# KiCad board Batch 1.kicad_pcb (continued)
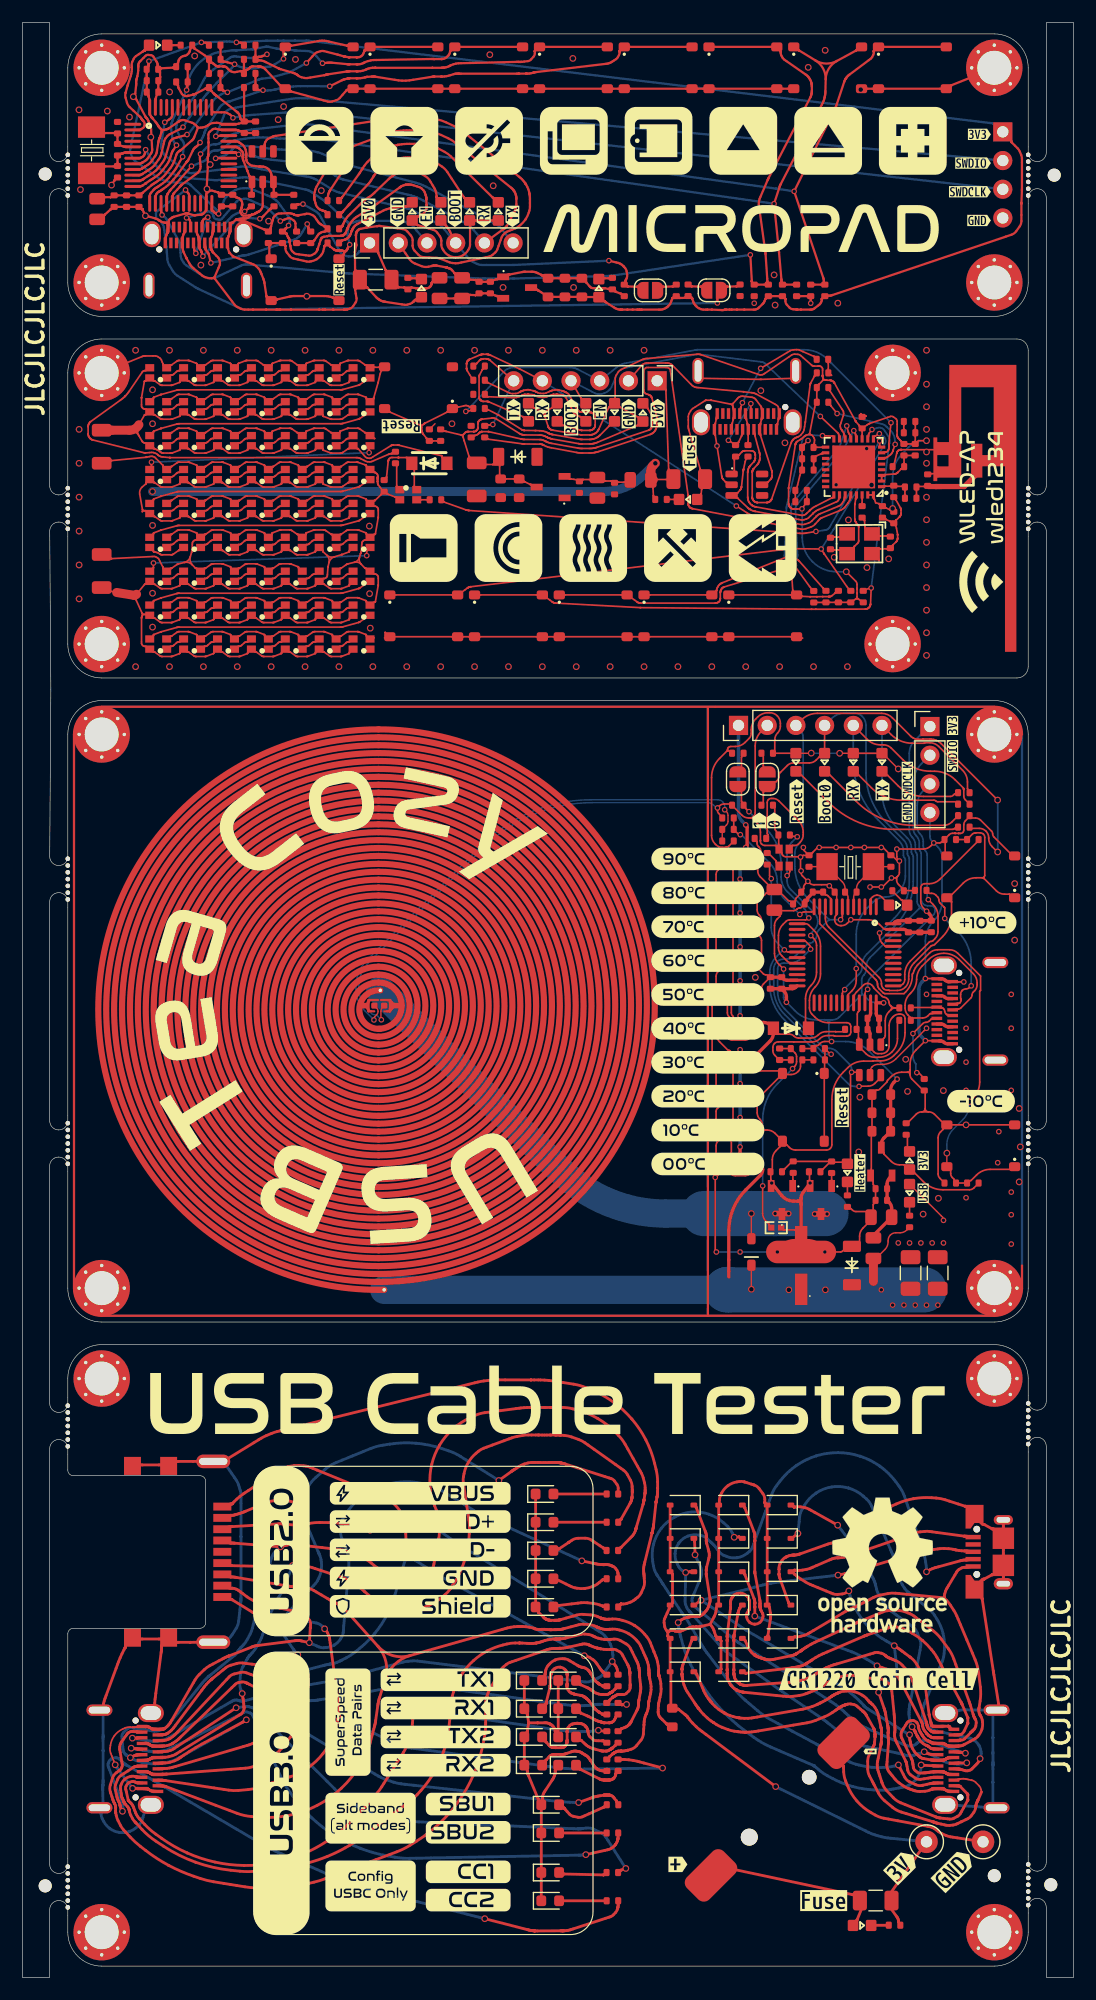
[diagram p0: board, top side]
## Nets (continued)
+3.3V: C1.1 C2.1 C4.1 C6.1 C8.1 C9.1 C11.1 C14.1 C16.1 C18.1 C19.1 C22.1 C24.1 C25.1 C32.1 C33.1 C36.1 C38.1 C39.1 C40.1 C44.1 C46.1 C49.1 C50.1 C52.1 C62.1 C66.1 C67.1 C69.1 C71.1 C73.1 C74.1 C78.1 C79.1 C80.1 C81.1 C82.1 C83.1 C84.1 D1.1 J3.1 J7.1 L3.1 L4.1 LDO1.3 LDO2.3 LDO3.3 LED2.2 LED3.2 LED4.2 LED7.2 LED8.2 LED9.2 LED11.2 LED12.2 LED14.2 LED16.2 LED17.2 LED18.2 R2.1 R4.1 R5.1 R7.1 R8.1 R10.1 R20.1 R21.1 R22.1 R24.1 R25.1 R34.1 R37.1 R41.1 R44.1 R45.1 R47.1 R48.1 R49.1 R51.1 R52.1 R56.1 R57.1 R65.1 R67.1 R81.1 U2.9 U2.24 U2.36 U2.48 U4.11 U4.17 U4.31 U4.32 U6.9 U6.24 U6.36 U6.48
+3V0: C90.1 D15.2 D16.2 D17.2 D18.2 D19.2 D20.2 D21.2 D22.2 D23.2 D24.2 D25.2 D26.2 D27.2 D28.2 D29.2 D30.2 D31.2 F5.1 R99.1 TP2.1
+5V: C29.1 C30.1 C56.1 C60.1 C61.1 C65.1 C68.1 C70.1 C72.1 C75.1 C76.1 C77.1 C85.1 D2.1 D3.1 F1.1 F2.1 F3.1 F4.1 FB1.1 FB2.1 FB3.1 HC1.1 J2.1 J5.1 J6.1 R3.1 R15.1 R42.1 R68.1 R80.1 RGB1.2 RGB2.2 RGB3.2 RGB4.2 RGB5.2 RGB6.2 RGB7.2 RGB8.2 RGB9.2 RGB10.2 RGB11.2 RGB12.2 RGB13.2 RGB14.2 RGB15.2 RGB16.2 RGB17.2 RGB18.2 RGB19.2 RGB20.2 RGB21.2 RGB22.2 RGB23.2 RGB24.2 RGB25.2 RGB26.2 RGB27.2 RGB28.2 RGB29.2 RGB30.2 RGB31.2 RGB32.2 RGB33.2 RGB34.2 RGB35.2 RGB36.2 RGB37.2 RGB39.2 RGB40.2 RGB41.2 RGB42.2 RGB43.2 RGB44.2 RGB45.2 RGB46.2 RGB47.2 RGB48.2 RGB49.2 RGB50.2 RGB51.2 RGB52.2 RGB53.2 RGB54.2 RGB55.2 RGB56.2 RGB57.2 RGB58.2 RGB59.2 RGB60.2 RGB61.2 RGB62.2 RGB63.2 RGB64.2 RGB65.2 RGB67.2 RGB68.2 RGB69.2 RGB70.2 RGB71.2 RGB72.2 RGB73.2 RGB74.2 RGB75.2 U3.2 U7.2
/GND_Drain: J9.7
/VBUS: J9.1 J11.A4 J11.A9 J11.B4 J11.B9 R91.1
GND: AE1.2 B1.2 C1.2 C2.2 C3.2 C4.2 C5.2 C6.2 C7.2 C8.2 C9.2 C10.2 C11.2 C12.2 C13.1 C14.2 C15.2 C16.2 C17.1 C18.2 C19.2 C20.2 C21.2 C22.2 C23.2 C24.2 C25.2 C26.2 C27.2 C28.2 C29.2 C30.2 C31.2 C32.2 C33.2 C34.2 C35.2 C36.2 C37.2 C38.2 C39.2 C40.2 C41.2 C42.2 C43.2 C44.2 C45.2 C46.2 C47.2 C48.2 C49.2 C50.2 C51.2 C52.2 C53.1 C54.1 C55.2 C56.2 C57.2 C58.1 C59.2 C60.2 C61.2 C62.2 C63.2 C64.2 C65.2 C66.2 C67.2 C68.2 C69.2 C70.2 C71.2 C72.2 C73.2 C74.2 C75.2 C76.2 C77.2 C78.2 C79.2 C80.2 C81.2 C82.2 C83.2 C84.2 C85.2 C86.2 C87.2 C88.2 C89.2 C90.2 D1.2 D3.2 D4.1 D5.1 D6.1 D7.1 D8.1 D9.1 D10.1 D11.1 D12.1 D13.1 D14.1 D32.1 D33.1 D34.1 D35.1 D36.1 D37.1 ESD1.2 ESD2.2 ESD3.2 J1.A1 J1.A12 J1.B1 J1.B12 J2.2 J3.4 J4.A1 J4.A12 J4.B1 J4.B12 J5.2 J6.2 J7.4 J8.A1 J8.A12 J8.B1 J8.B12 LDO1.1 LDO2.1 LDO3.1 M1. M2. M3. M4. M5. M6. M7. M8. M9. M10. M12. M14. R6.2 R9.1 R13.2 R16.2 R19.1 R23.2 R26.1 R29.2 R33.2 R38.2 R43.2 R46.1 R55.1 R60.2 R62.1 R70.2 R71.1 R72.2 R75.2 R76.2 R77.2 R78.2 R79.1 RGB1.3 RGB2.3 RGB3.3 RGB4.3 RGB5.3 RGB6.3 RGB7.3 RGB8.3 RGB9.3 RGB10.3 RGB11.3 RGB12.3 RGB13.3 RGB14.3 RGB15.3 RGB16.3 RGB17.3 RGB18.3 RGB19.3 RGB20.3 RGB21.3 RGB22.3 RGB23.3 RGB24.3 RGB25.3 RGB26.3 RGB27.3 RGB28.3 RGB29.3 RGB30.3 RGB31.3 RGB32.3 RGB33.3 RGB34.3 RGB35.3 RGB36.3 RGB37.3 RGB38.3 RGB39.3 RGB40.3 RGB41.3 RGB42.3 RGB43.3 RGB44.3 RGB45.3 RGB46.3 RGB47.3 RGB48.3 RGB49.3 RGB50.3 RGB51.3 RGB52.3 RGB53.3 RGB54.3 RGB55.3 RGB56.3 RGB57.3 RGB58.3 RGB59.3 RGB60.3 RGB61.3 RGB62.3 RGB63.3 RGB64.3 RGB65.3 RGB66.3 RGB67.3 RGB68.3 RGB69.3 RGB70.3 RGB71.3 RGB72.3 RGB73.3 RGB74.3 RGB75.3 SW1.3 SW1.4 SW2.3 SW2.4 SW3.3 SW3.4 SW4.3 SW4.4 SW5.3 SW5.4 SW6.3 SW6.4 SW7.3 SW7.4 SW8.3 SW8.4 SW9.3 SW9.4 SW10.3 SW10.4 SW11.3 SW11.4 SW12.3 SW12.4 SW13.3 SW13.4 SW14.3 SW14.4 SW15.3 SW15.4 SW16.3 SW16.4 SW17.3 SW17.4 SW18.3 SW18.4 TP1.1 U2.8 U2.23 U2.35 U2.47 U4.33 U6.8 U6.23 U6.35 U6.47 U8.2 U9.2 X1.2 X1.4
VBUS: ESD1.5 ESD2.5 ESD3.5 F1.2 F2.2 F3.2 F4.2 J1.A4 J1.A9 J1.B4 J1.B9 J4.A4 J4.A9 J4.B4 J4.B9 J8.A4 J8.A9 J8.B4 J8.B9 LED6.2 LED13.2 LED21.2
/Antenna: C48.1 L1.2 L2.2 U4.1
/BOOT0: J2.4 J6.4 JP2.1 JP3.1 LED5.2 LED15.2 R26.2 R55.2 U2.44 U6.44
/BOOT1: JP1.1 JP4.1 R19.2 R46.2 U2.20 U6.20
/BOOT_IO9: J5.4 LED10.2 U4.15
/CC1: J1.A5 J4.A5 J8.A5 J11.A5 R6.1 R38.1 R75.1 R95.1
/CC2: J1.B5 J4.B5 J8.B5 J11.B5 R16.1 R43.1 R70.1 R93.1
/Copy: C3.1 R10.2 SW5.1 SW5.2 U2.13
/D+: ESD1.3 ESD2.3 ESD3.3 J9.3 J11.A6 J11.B6 R1.2 R3.2 R40.2 R68.2 R74.2 R83.1 U2.33 U4.26 U6.33
/D-: ESD1.1 ESD2.1 ESD3.1 J9.2 J11.A7 J11.B7 R11.2 R39.2 R73.2 R88.1 U2.32 U4.25 U6.32
/Down: C86.1 R81.2 SW18.1 SW18.2 U6.11
/Eject: C27.1 R25.2 SW7.1 SW7.2 U2.16
/Flashlight: R49.2 SW13.1 SW13.2 U4.9
/Game of Life: R45.2 SW15.1 SW15.2 U4.16
/Hotplate_EN: ESD3.4 LED20.2 R63.1 R66.1 R76.1 R78.1 U6.16
/MCU_RX: J2.5 J5.5 J6.5 R18.2 R30.2 R61.2 U2.31 U4.27 U6.31
/MCU_TX: J2.6 J5.6 J6.6 R17.2 R32.2 R35.2 R58.2 U2.30 U6.30
/Mute_Mic: C15.1 R8.2 SW3.1 SW3.2 U2.12
/Neopixel Bus: ESD3.6 R28.1 R50.1 U4.8 U6.18
/Noise: R44.2 SW14.1 SW14.2 U4.13
/Paste: C7.1 R2.2 SW6.1 SW6.2 U2.14
/Play/Pause: C28.1 R20.2 SW8.1 SW8.2 U2.15
/Print_Screen: C26.1 R22.2 SW9.1 SW9.2 U2.17
/Rainbow: R51.2 SW11.1 SW11.2 U4.10
/Reset: C10.1 C34.1 C64.1 J2.3 J5.3 J6.3 R5.2 R14.2 R27.2 R34.2 R59.2 R67.2 SW1.1 SW1.2 SW10.1 SW10.2 SW17.1 SW17.2 U2.7 U4.7 U6.7
/RX1+: J1.B11 J4.B11 J8.B11 J11.B11 R90.1
/RX1-: J1.B10 J4.B10 J8.B10 J11.B10 R82.1
/RX2+: J1.A11 J4.A11 J8.A11 J9.6 J11.A11 R96.1
/RX2-: J1.A10 J4.A10 J8.A10 J9.5 J11.A10 R98.1
/SBU1: J1.A8 J4.A8 J8.A8 J11.A8 R94.1
/SBU2: J1.B8 J4.B8 J8.B8 J11.B8 R97.1
/Sea: R48.2 SW12.1 SW12.2 U4.12
/SHLD: J1.S1 J4.S1 J8.S1 J9.10 J11.S1 R89.1
/SWDCLK: J3.3 J7.3 U2.37 U6.37
/SWDIO: J3.2 J7.2 U2.34 U6.34
/Temp_Coil: C55.1 R53.2 U6.12
/Temp_Mosfet: C63.1 R64.2 U6.13
/TX1+: J1.A2 J4.A2 J8.A2 J9.9 J11.A2 R92.1
/TX1-: J1.A3 J4.A3 J8.A3 J9.8 J11.A3 R86.1
/TX2+: J1.B2 J4.B2 J8.B2 J11.B2 R87.1
/TX2-: J1.B3 J4.B3 J8.B3 J11.B3 R85.1
/Up: C59.1 R57.2 SW16.1 SW16.2 U6.10
/USB_GND: J9.4 J11.A1 J11.A12 J11.B1 J11.B12 R84.1
/Vol+: C12.1 R4.2 SW4.1 SW4.2 U2.10
/Vol-: C5.1 R7.2 SW2.1 SW2.2 U2.11
/XIN: C53.2 R36.2 X1.1
/XOUT: C43.1 U4.29 X1.3
Net-(AE1-A): AE1.1 C51.1 L1.1 L2.1
Net-(B1-+): B1.1 F5.2 LED22.2
Net-(C55-Pad1): C47.1 L3.2 L4.2 U4.2 U4.3
Net-(D1-A): D2.2 HC1.2 U8.3 U9.3
Net-(D1-K): D25.1 J12.A8
Net-(D2-A): D35.2 R96.2
Net-(D3-A): D32.2 R98.2
Net-(D4-A): D10.2 R91.2
Net-(D5-K): D23.1 J12.B2
Net-(D6-K): D26.1 J12.B11
Net-(D7-K): D19.1 J12.B8
Net-(D8-A): D4.2 R87.2
Net-(D9-K): D18.1 J10.5 J12.A1 J12.A12 J12.B1 J12.B12
Net-(D10-A): D13.2 R82.2
Net-(D11-A): D9.2 R90.2
Net-(D12-K): D31.1 J12.A11
Net-(D13-A): D8.2 R85.2
Net-(D14-A): D12.2 R84.2
Net-(D15-K): D20.1 J10.3 J12.A6 J12.B6
Net-(D16-A): D14.2 R88.2
Net-(D17-K): D15.1 J12.B3
Net-(D18-A): D11.2 R89.2
Net-(D19-K): D27.1 J10.1 J12.A4 J12.A9 J12.B4 J12.B9
Net-(D20-K): D16.1 J12.A10
Net-(D21-K): D24.1 J12.A3
Net-(D22-K): D22.1 J12.A2
Net-(D23-A): D5.2 R92.2
Net-(D24-K): D28.1 J12.B5
Net-(D25-K): D30.1 J12.A5
Net-(D26-K): D17.1 J10.6 J12.S1
Net-(D27-A): D7.2 R83.2
Net-(D28-K): D29.1 J10.2 J12.A7 J12.B7
Net-(D29-K): D21.1 J12.B10
Net-(D30-A): D6.2 R86.2
Net-(D31-A): D37.2 R95.2
Net-(D32-A): D34.2 R97.2
Net-(D33-A): D36.2 R94.2
Net-(D34-A): D33.2 R93.2
Net-(J2-D+-PadA6): J1.A6 J1.B6 J4.A6 J4.B6 J8.A6 J8.B6 R1.1 R40.1 R74.1
Net-(J2-D--PadA7): J1.A7 J1.B7 J4.A7 J4.B7 J8.A7 J8.B7 R11.1 R39.1 R73.1
Net-(JP1-B): JP1.2 JP4.2 R21.2 R52.2
Net-(JP2-B): JP2.2 JP3.2 R24.2 R47.2
Net-(LDO1-Vin): C20.1 C21.1 C23.1 C31.1 C37.1 C41.1 C87.1 C88.1 C89.1 FB1.2 FB2.2 FB3.2 LDO1.2 LDO2.2 LDO3.2
Net-(LED1-K): LED6.1 LED13.1 LED21.1 LED22.1 R15.2 R42.2 R80.2 R99.2
Net-(LED2-K): LED7.1 LED11.1 LED18.1 R23.1 R33.1 R72.1
Net-(LED3-A): LED1.2 LED19.2 U2.2 U6.2
Net-(LED3-C): LED1.1 LED19.1 R9.2 R71.2
Net-(LED4-C): LED2.1 LED9.1 LED17.1 R17.1 R35.1 R58.1
Net-(LED5-C): LED3.1 LED8.1 LED16.1 R18.1 R30.1 R61.1
Net-(LED6-K): LED4.1 LED12.1 LED14.1 R14.1 R27.1 R59.1
Net-(LED7-K): LED5.1 LED10.1 LED15.1 R13.1 R29.1 R60.1
Net-(LED8-K): LED20.1 R77.1
Net-(R28-Pad2): R53.1 R56.2 R62.2
Net-(R29-Pad2): R64.1 R65.2 R79.2
Net-(RGB1-DI): R28.2 R54.2 RGB38.4 RGB65.4
Net-(RGB1-DO): R31.1 RGB38.1 RGB65.1 RGB67.4
Net-(RGB1-VDD): C35.1 RGB38.2 U3.1
Net-(RGB2-DI): R31.2 RGB7.4
Net-(RGB2-DO): RGB7.1 RGB34.4 RGB67.1 RGB73.4
Net-(RGB3-DO): RGB27.4 RGB34.1 RGB68.4 RGB73.1
Net-(RGB4-DO): RGB14.4 RGB27.1 RGB68.1 RGB71.4
Net-(RGB5-DO): RGB10.4 RGB14.1 RGB70.4 RGB71.1
Net-(RGB6-DO): RGB10.1 RGB46.4 RGB69.4 RGB70.1
Net-(RGB7-DO): RGB46.1 RGB47.4 RGB69.1 RGB72.4
Net-(RGB8-DO): RGB17.4 RGB47.1 RGB72.1 RGB74.4
Net-(RGB10-DI): RGB17.1 RGB31.4 RGB74.1 RGB75.4
Net-(RGB10-DO): RGB16.4 RGB31.1
Net-(RGB11-DI): R50.2 RGB66.4
Net-(RGB11-DO): R54.1 RGB16.1 RGB21.4 RGB66.1
Net-(RGB11-VDD): C57.1 RGB66.2 U7.1
Net-(RGB12-DO): RGB21.1 RGB25.4
Net-(RGB13-DO): RGB25.1 RGB48.4
Net-(RGB14-DO): RGB42.4 RGB48.1
Net-(RGB15-DO): RGB30.4 RGB42.1
Net-(RGB16-DO): RGB8.4 RGB30.1
Net-(RGB17-DO): RGB8.1 RGB19.4
Net-(RGB18-DO): RGB3.4 RGB19.1
Net-(RGB19-DO): RGB3.1 RGB13.4
Net-(RGB20-DO): RGB13.1 RGB41.4
Net-(RGB21-DO): RGB41.1 RGB45.4
Net-(RGB22-DO): RGB26.4 RGB45.1
Net-(RGB23-DO): RGB20.4 RGB26.1
Net-(RGB24-DO): RGB5.4 RGB20.1
Net-(RGB25-DO): RGB5.1 RGB12.4
Net-(RGB26-DO): RGB12.1 RGB32.4
Net-(RGB27-DO): RGB32.1 RGB36.4
Net-(RGB28-DO): RGB36.1 RGB37.4
Net-(RGB29-DO): RGB1.4 RGB37.1
Net-(RGB30-DO): RGB1.1 RGB15.4
Net-(RGB31-DO): RGB15.1 RGB22.4
Net-(RGB32-DO): RGB18.4 RGB22.1
Net-(RGB33-DO): RGB6.4 RGB18.1
Net-(RGB34-DO): RGB6.1 RGB39.4
Net-(RGB35-DO): RGB39.1 RGB44.4
Net-(RGB36-DO): RGB2.4 RGB44.1
Net-(RGB37-DO): RGB2.1 RGB4.4
Net-(RGB38-DO): RGB4.1 RGB33.4
Net-(RGB39-DO): RGB28.4 RGB33.1
Net-(RGB40-DO): RGB28.1 RGB35.4
Net-(RGB41-DO): RGB35.1 RGB40.4
Net-(RGB42-DO): RGB40.1 RGB50.4
Net-(RGB43-DO): RGB11.4 RGB50.1
Net-(RGB44-DO): RGB11.1 RGB23.4
Net-(RGB45-DO): RGB9.4 RGB23.1
Net-(RGB46-DO): RGB9.1 RGB29.4
Net-(RGB47-DO): RGB24.4 RGB29.1
Net-(RGB48-DO): RGB24.1 RGB49.4
Net-(RGB49-DO): RGB43.4 RGB49.1
Net-(RGB50-DO): RGB43.1 RGB57.4
Net-(RGB51-DO): RGB52.4 RGB57.1
Net-(RGB52-DO): RGB51.4 RGB52.1
Net-(RGB53-DO): RGB51.1 RGB55.4
Net-(RGB54-DO): RGB53.4 RGB55.1
Net-(RGB55-DO): RGB53.1 RGB63.4
Net-(RGB56-DO): RGB62.4 RGB63.1
Net-(RGB57-DO): RGB58.4 RGB62.1
Net-(RGB58-DO): RGB56.4 RGB58.1
Net-(RGB59-DO): RGB56.1 RGB59.4
Net-(RGB60-DO): RGB54.4 RGB59.1
Net-(RGB61-DO): RGB54.1 RGB60.4
Net-(RGB62-DO): RGB60.1 RGB64.4
Net-(RGB63-DO): RGB61.4 RGB64.1
Net-(U1-PD0-OSC_IN): C13.2 C58.2 R12.1 R69.1 U1.2 U2.5 U5.2 U6.5
Net-(U1-PD1-OSC_OUT): C17.2 C54.2 R12.2 R69.2 U1.1 U2.6 U5.1 U6.6
Net-(U3-G): R66.2 U8.1
Net-(U3-GPIO2): R41.2 U4.6
Net-(U3-GPIO8): R37.2 U4.14
Net-(U3-U0TXD): R32.1 U4.28
Net-(U3-VDD_SPI_(OUTPUT)): C42.1 C45.1 U4.18
Net-(U3-XTAL_P): R36.1 U4.30
Net-(U4-G): R63.2 U9.1

Pads without a net: ESD1 4 6; ESD2 4 6; J10 4; RGB61 1; RGB75 1; U2 1 3 4 18 19 21 22 25 26 27 28 29 38 39 40 41 42 43 45 46; U4 4 5 19 20 21 22 23 24; U6 1 3 4 14 15 17 19 21 22 25 26 27 28 29 38 39 40 41 42 43 45 46

## Via types
v1: diameter 0.6, hole 0.4, Top to Bottom, 191 vias
v2: diameter 0.5, hole 0.3, Top to Bottom, 183 vias

## Routing (per net, layer and track width the routed paths; a pad name or vN(x,y) marks a point on that pad's centre or on a via; arc(x,y) is an arc through that point)
+3.3V: length 504.5
  Top w0.127: v1(72.31,108.34) LED16.2 ; LED17.2 76.11,108.34 v1(77.5,106.95) ; LED14.2 69.79,108.34 v1(69.8,108.35)
  Top w0.15: R51.1 74.22,121.81 arc(74.1,121.9) 73.98,121.97 ; 62.37,108.57 61.68,107.88 arc(61.16,107.1) 60.97,106.17 60.97,101.07 arc(61.06,100.66) 61.28,100.32 61.36,100.24 arc(61.62,100.07) 61.92,100.01 62.22,100.01 arc(62.24,100.02) 62.26,100.03 arc(62.28,100.05) 62.31,100.05 62.36,100.05 arc(62.43,100.06) 62.49,100.1 62.69,100.31 ; 62.37,108.57 arc(62.39,108.58) 62.41,108.57 ; 62.37,108.57 arc(62.39,108.59) 62.39,108.62 ; 71.1,95.79 71.1,95.78 arc(71.11,95.78) 71.12,95.77 71.17,95.77 arc(71.22,95.76) 71.26,95.74 71.52,95.47 arc(71.54,95.44) 71.55,95.4 U6.9 ; v1(80,136) 79.29,136 L4.1 ; U4.11 74.3,136.52 74.3,136.93 74.3,136.99 ; 78.03,71.91 78.02,71.91 arc(78.02,71.91) 78.02,71.91 77.6,71.91 arc(77.21,71.99) 76.89,72.21 76.24,72.86 arc(76.23,72.87) 76.22,72.88 76.22,72.94 arc(76.22,72.97) 76.21,73.01 76.11,73.21 ; U4.17 70.86,135.42 arc(70.82,135.41) 70.79,135.41 70.23,135.41 arc(70.2,135.41) 70.16,135.41 70.1,135.41 arc(70.04,135.43) 70.02,135.5 70.05,135.61 arc(70.06,135.65) 70.06,135.68 70.06,135.72 arc(70.06,135.72) 70.06,135.72 arc(70.06,135.73) 70.06,135.73 70.09,136.04 arc(70.09,136.14) 70.05,136.22 69.96,136.38 arc(69.9,136.45) 69.82,136.5 69.69,136.56 ; 70.24,82.46 70.24,82.46 arc(70.24,82.46) 70.24,82.46 70.31,82.46 arc(70.38,82.48) 70.44,82.51 70.57,82.64 arc(70.77,82.78) 71.01,82.83 v2(71.6,82.83) ; 70.97,141.39 71.05,141.37 arc(71.05,141.37) 71.06,141.37 arc(71.06,141.37) 71.06,141.37 71.12,141.36 arc(71.12,141.36) 71.13,141.36 71.14,141.36 arc(71.15,141.36) 71.16,141.35 arc(71.16,141.35) 71.17,141.35 71.45,141.35 arc(71.46,141.35) 71.46,141.35 arc(71.47,141.34) 71.48,141.34 71.49,141.34 arc(71.49,141.34) 71.5,141.34 arc(71.51,141.34) 71.51,141.34 71.53,141.33 arc(71.53,141.33) 71.54,141.33 71.58,141.33 arc(71.59,141.32) 71.61,141.32 71.64,141.3 arc(71.65,141.3) 71.66,141.29 71.73,141.24 arc(71.75,141.23) 71.76,141.22 71.78,141.2 arc(71.79,141.19) 71.8,141.18 71.84,141.12 arc(71.84,141.12) 71.84,141.11 arc(71.84,141.11) 71.85,141.11 71.85,141.1 arc(71.85,141.1) 71.85,141.1 arc(71.85,141.09) 71.86,141.09 73.7,137.77 arc(73.71,137.77) 73.71,137.76 arc(73.71,137.76) 73.71,137.76 73.71,137.75 arc(73.72,137.75) 73.72,137.75 arc(73.72,137.74) 73.72,137.74 73.75,137.7 arc(73.75,137.69) 73.76,137.69 73.76,137.68 arc(73.76,137.68) 73.76,137.68 arc(73.77,137.67) 73.77,137.67 74.04,137.34 arc(74.04,137.34) 74.04,137.34 arc(74.04,137.34) 74.04,137.33 74.23,137.16 ; 70.97,141.39 arc(70.89,141.39) 70.82,141.35 ; 70.97,141.39 arc(70.9,141.43) 70.86,141.49 ; 70.82,141.35 70.5,141 arc(70.5,141) 70.5,141 arc(70.5,141) 70.5,141 arc(70.5,141) 70.5,140.99 70.36,140.8 arc(70.31,140.69) 70.29,140.58 70.29,139.52 arc(70.28,139.4) 70.23,139.29 70.21,139.24 arc(70.14,139.08) 70.1,138.91 69.65,136.62 ; 70.82,141.35 arc(70.86,141.42) 70.86,141.49 ; 70.86,141.49 70.81,141.64 arc(70.81,141.65) 70.81,141.66 70.8,141.67 arc(70.8,141.68) 70.8,141.69 arc(70.8,141.69) 70.8,141.7 70.8,141.72 arc(70.8,141.73) 70.8,141.73 70.8,141.74 arc(70.8,141.75) 70.8,141.76 70.8,141.76 arc(70.8,141.76) 70.8,141.77 70.8,141.77 arc(70.8,141.77) 70.8,141.77 arc(70.8,141.77) 70.8,141.78 70.8,141.78 arc(70.8,141.78) 70.8,141.79 arc(70.8,141.79) 70.8,141.79 70.8,142.36 arc(70.79,142.41) 70.76,142.46 70.67,142.55 arc(70.62,142.59) 70.56,142.6 70.48,142.6 arc(70.48,142.6) 70.48,142.6 70.45,142.6 arc(70.45,142.6) 70.45,142.6 70.41,142.6 70.02,142.6 arc(69.99,142.6) 69.96,142.61 69.91,142.63 arc(69.88,142.64) 69.86,142.66 69.07,143.35 68.86,143.54 arc(68.74,143.61) 68.61,143.64 68.33,143.66 arc(68.19,143.64) 68.07,143.59 67.84,143.43 65.7,141.97 65.59,141.89 arc(65.53,141.86) 65.47,141.84 65.33,141.82 arc(65.27,141.82) 65.2,141.84 65.07,141.88 60.09,143.59 60.01,143.62 arc(59.97,143.63) 59.92,143.64 59.84,143.65 arc(59.8,143.65) 59.75,143.65 59.67,143.64 55.27,143.28 55.17,143.27 arc(55.12,143.26) 55.07,143.25 54.97,143.22 arc(54.92,143.21) 54.88,143.19 54.79,143.15 52.97,142.29 arc(52.83,142.2) 52.72,142.07 52.54,141.79 arc(52.47,141.63) 52.44,141.47 52.44,139.75 arc(52.44,139.71) 52.44,139.67 52.42,139.51 ; 38.99,136.32 39.08,136.01 arc(39.08,136.01) 39.08,136.01 arc(39.08,136.01) 39.08,136.01 39.52,134.59 arc(39.52,134.59) 39.52,134.59 arc(39.52,134.59) 39.52,134.59 39.88,134.29 arc(40.21,134.08) 40.59,133.96 40.95,133.9 arc(40.99,133.89) 41.03,133.89 41.63,133.89 arc(41.63,133.89) 41.63,133.89 arc(41.63,133.89) 41.63,133.89 arc(41.64,133.89) 41.64,133.89 41.91,134.27 arc(42.07,134.33) 42.17,134.21 42.22,133.88 arc(42.22,133.84) 42.22,133.81 42.22,132.98 arc(42.22,132.94) 42.23,132.9 42.27,132.78 arc(42.34,132.66) 42.48,132.62 43.75,132.62 arc(43.94,132.59) 44.13,132.52 44.42,132.38 arc(44.42,132.38) 44.42,132.38 44.42,132.37 arc(44.43,132.37) 44.43,132.37 44.93,132.12 arc(44.93,132.12) 44.94,132.12 arc(44.94,132.12) 44.94,132.12 44.95,132.12 arc(44.96,132.12) 44.96,132.12 45,132.12 arc(45.04,132.11) 45.07,132.1 LDO2.3 ; 38.99,136.32 arc(38.91,136.44) 38.79,136.51 ; 38.99,136.32 arc(38.98,136.46) 39.05,136.59 ; R48.1 70.23,121.68 arc(70.27,121.68) 70.3,121.69 70.82,121.69 arc(70.85,121.69) 70.89,121.69 70.98,121.69 arc(71.1,121.69) 71.22,121.69 73.18,121.69 arc(73.29,121.71) 73.4,121.76 73.48,121.81 arc(73.6,121.9) 73.72,121.97 ; 67.23,94.4 68.22,94.4 arc(68.38,94.44) 68.52,94.53 68.56,94.57 arc(68.65,94.63) 68.76,94.65 68.81,94.65 arc(68.87,94.66) 68.92,94.7 68.96,94.74 ; 69.6,136.56 69.33,136.47 arc(69.3,136.46) 69.28,136.44 69.24,136.42 arc(69.22,136.4) 69.2,136.39 69.05,136.26 arc(69.03,136.23) 69,136.21 68.95,136.17 arc(68.92,136.15) 68.89,136.14 68.55,135.93 arc(68.54,135.92) 68.52,135.91 68.5,135.88 arc(68.49,135.87) 68.48,135.86 68.44,135.81 arc(68.43,135.79) 68.43,135.78 68.41,135.75 arc(68.41,135.73) 68.4,135.72 68.4,135.68 arc(68.4,135.68) 68.4,135.67 arc(68.4,135.67) 68.4,135.67 68.39,135.65 arc(68.39,135.65) 68.39,135.64 arc(68.39,135.63) 68.39,135.63 67.8,131.84 67.8,131.83 arc(67.8,131.82) 67.8,131.82 67.79,131.8 arc(67.79,131.8) 67.79,131.79 arc(67.79,131.79) 67.79,131.78 67.79,130.41 arc(67.79,130.4) 67.8,130.39 67.8,130.38 arc(67.8,130.37) 67.8,130.36 arc(67.8,130.35) 67.8,130.34 67.81,130.33 arc(67.81,130.33) 67.81,130.32 67.81,130.28 arc(67.82,130.27) 67.82,130.25 67.84,130.22 arc(67.84,130.21) 67.85,130.2 arc(67.86,130.18) 67.87,130.17 67.9,130.13 arc(67.91,130.11) 67.92,130.1 67.94,130.08 arc(67.95,130.07) 67.96,130.06 68.04,130.01 arc(68.05,130) 68.06,130 68.09,129.98 arc(68.11,129.98) 68.12,129.97 arc(68.14,129.97) 68.16,129.97 68.2,129.96 arc(68.21,129.96) 68.22,129.96 68.23,129.96 arc(68.24,129.95) 68.25,129.95 68.52,129.95 arc(68.52,129.95) 68.53,129.95 arc(68.53,129.95) 68.54,129.95 v2(68.98,129.97) 69.1,130.15 arc(69.2,130.3) 69.31,130.45 69.34,130.5 arc(69.39,130.61) 69.41,130.72 C39.1 ; 69.6,136.56 arc(69.64,136.58) 69.65,136.62 ; 69.6,136.56 arc(69.65,136.57) 69.69,136.56 ; 52.42,139.51 arc(52.44,139.33) 52.55,139.19 ; 52.42,139.51 arc(52.35,139.33) 52.23,139.19 ; 38.79,136.51 37.51,136.81 37.47,136.82 arc(37.45,136.83) 37.43,136.83 37.38,136.84 arc(37.36,136.84) 37.34,136.84 37.32,136.84 arc(37.32,136.84) 37.31,136.84 R34.1 ; 38.79,136.51 arc(38.93,136.51) 39.05,136.59 ; 46.25,138.09 46.5,137.29 arc(46.5,137.29) 46.5,137.28 arc(46.5,137.28) 46.5,137.28 46.51,137.26 arc(46.51,137.25) 46.51,137.25 arc(46.51,137.24) 46.52,137.24 46.52,137.23 arc(46.52,137.23) 46.52,137.22 arc(46.53,137.22) 46.53,137.21 46.54,137.18 arc(46.55,137.17) 46.55,137.17 46.56,137.15 arc(46.57,137.14) 46.57,137.14 arc(46.58,137.13) 46.58,137.12 46.6,137.1 arc(46.6,137.1) 46.61,137.09 46.61,137.09 arc(46.62,137.08) 46.62,137.08 46.65,137.05 arc(46.66,137.05) 46.66,137.04 46.67,137.03 arc(46.68,137.03) 46.68,137.03 arc(46.69,137.02) 46.7,137.02 46.75,136.98 arc(46.76,136.98) 46.77,136.97 46.79,136.97 arc(46.8,136.96) 46.81,136.96 46.84,136.95 arc(46.85,136.95) 46.85,136.95 arc(46.86,136.94) 46.86,136.94 46.88,136.94 arc(46.89,136.94) 46.89,136.94 arc(46.89,136.94) 46.89,136.93 46.9,136.93 arc(46.9,136.93) 46.91,136.93 arc(46.91,136.93) 46.91,136.93 49.37,136.52 49.4,136.52 arc(49.41,136.51) 49.43,136.51 49.46,136.51 arc(49.47,136.51) 49.48,136.51 50.22,136.51 arc(50.24,136.51) 50.25,136.51 50.29,136.51 arc(50.31,136.52) 50.32,136.52 50.43,136.54 arc(50.47,136.55) 50.5,136.56 50.57,136.59 arc(50.6,136.6) 50.63,136.62 50.74,136.7 arc(50.77,136.72) 50.79,136.74 50.84,136.79 arc(50.87,136.82) 50.89,136.85 50.95,136.94 arc(50.96,136.95) 50.97,136.96 50.98,136.99 arc(50.99,137) 50.99,137.01 51.88,138.94 arc(51.88,138.95) 51.88,138.95 51.88,138.95 arc(51.89,138.95) 51.89,138.95 51.89,138.96 arc(51.89,138.96) 51.89,138.96 arc(51.9,138.96) 51.9,138.96 52.23,139.19 ; 46.25,138.09 arc(46.06,138.43) 45.75,138.66 ; 46.25,138.09 arc(46.26,138.43) 46.48,138.69 ; 84.4,100.4 81.17,97.18 arc(80.75,96.89) 80.24,96.79 79.84,96.79 arc(79.71,96.76) 79.59,96.69 arc(79.52,96.58) 79.49,96.44 79.49,95.23 arc(79.56,94.9) 79.75,94.62 80,94.36 arc(80,94.36) 80,94.36 v2(80.01,94.36) ; 74.38,137.15 74.47,137.21 arc(74.6,137.3) 74.73,137.38 74.88,137.48 arc(74.89,137.49) 74.91,137.5 74.94,137.51 arc(74.96,137.52) 74.97,137.53 75.01,137.54 76.55,138.06 76.82,138.15 arc(76.94,138.16) 77.06,138.11 77.29,137.95 arc(77.37,137.85) 77.4,137.72 77.39,136.89 arc(77.39,136.89) 77.39,136.89 77.39,136.51 arc(77.39,136.5) 77.4,136.49 77.4,136.48 arc(77.4,136.47) 77.4,136.46 arc(77.4,136.45) 77.4,136.44 77.41,136.43 arc(77.41,136.43) 77.41,136.42 77.41,136.38 arc(77.42,136.37) 77.42,136.35 77.44,136.32 arc(77.44,136.31) 77.45,136.3 arc(77.46,136.28) 77.47,136.27 77.49,136.23 arc(77.5,136.23) 77.5,136.22 77.51,136.21 arc(77.52,136.2) 77.52,136.2 77.63,136.08 arc(77.64,136.08) 77.64,136.07 arc(77.65,136.07) 77.65,136.06 77.66,136.06 arc(77.66,136.05) 77.67,136.05 77.74,135.96 arc(77.74,135.96) 77.74,135.96 arc(77.74,135.96) 77.74,135.95 77.91,135.79 arc(78.01,135.73) 78.12,135.71 78.9,135.71 arc(78.97,135.74) 79,135.81 79,135.87 arc(79,135.91) 79,135.94 79,136.42 arc(79.01,136.45) 79.01,136.49 79.01,136.58 arc(79.01,136.7) 79.01,136.82 C46.1 ; 74.38,137.15 arc(74.32,137.08) 74.3,136.99 ; 74.38,137.15 arc(74.3,137.12) 74.23,137.16 ; v1(72.9,124.4) 73.73,123.57 arc(73.82,123.44) 73.85,123.29 73.85,123.23 arc(73.85,123.12) 73.85,123.01 73.85,122.9 arc(73.85,122.9) 73.85,122.9 arc(73.85,122.89) 73.85,122.89 73.85,122.88 arc(73.85,122.88) 73.85,122.88 arc(73.85,122.87) 73.85,122.87 73.85,122.86 arc(73.85,122.86) 73.85,122.86 73.85,122.86 arc(73.85,122.85) 73.85,122.84 73.85,122.5 arc(73.85,122.5) 73.85,122.5 arc(73.85,122.49) 73.85,122.49 73.85,122.49 arc(73.85,122.49) 73.85,122.48 arc(73.85,122.48) 73.85,122.48 73.85,122.19 ; 79.55,111.45 J7.1 ; 74.3,136.99 arc(74.28,137.08) 74.23,137.16 ; 67.94,108.34 66.68,108.34 ; 75.56,108.34 74.02,108.34 ; v2(67.35,89.24) 66.95,89.64 arc(66.65,90.09) 66.55,90.61 66.55,93.09 arc(66.61,93.41) 66.79,93.68 67.02,93.91 arc(67.03,93.92) 67.03,93.94 67.03,93.95 ; 78.99,71.15 79,71.15 arc(79,71.15) 79,71.14 79.72,70.43 arc(80.52,69.89) 81.46,69.7 83.79,69.7 arc(84.01,69.75) 84.2,69.87 84.36,70.04 ; LED8.2 46.84,138.9 arc(46.84,138.9) 46.84,138.9 46.48,138.69 ; U4.31 75.27,131.2 arc(75.29,131.19) 75.31,131.17 75.36,130.99 arc(75.36,130.95) 75.37,130.91 75.37,130.87 arc(75.37,130.86) 75.37,130.85 75.37,130.84 arc(75.38,130.83) 75.38,130.83 75.39,130.82 75.5,130.5 75.8,130.42 arc(75.8,130.42) 75.8,130.42 arc(75.8,130.42) 75.8,130.42 arc(75.8,130.42) 75.81,130.42 75.96,130.31 arc(76.1,130.22) 76.26,130.13 76.41,130.05 arc(76.42,130.05) 76.42,130.05 arc(76.42,130.05) 76.42,130.05 76.42,130.05 arc(76.42,130.05) 76.42,130.05 76.78,129.87 arc(76.78,129.87) 76.78,129.87 76.78,129.87 arc(76.78,129.87) 76.79,129.87 v1(77,130) C52.1 ; 62.39,108.62 62.39,108.68 arc(62.41,108.76) 62.46,108.83 62.48,108.85 arc(62.57,108.91) 62.68,108.94 63.07,108.94 arc(63.55,109.03) 63.95,109.3 64.3,109.65 arc(64.44,109.86) 64.48,110.1 64.48,110.41 arc(64.59,110.93) 64.89,111.38 65.05,111.54 arc(65.48,111.83) 65.97,111.93 66.13,111.93 arc(66.49,111.85) 66.79,111.65 arc(66.99,111.35) 67.06,110.99 67.06,110.72 arc(67,110.4) 66.82,110.13 arc(66.64,109.85) 66.57,109.53 66.57,108.66 ; 62.39,108.62 arc(62.4,108.59) 62.41,108.57 ; 52.23,139.19 arc(52.39,139.25) 52.55,139.19 ; 52.55,139.19 52.88,138.96 arc(52.88,138.96) 52.89,138.96 arc(52.89,138.96) 52.89,138.96 52.89,138.95 arc(52.89,138.95) 52.9,138.95 54.42,138.11 arc(54.43,138.11) 54.43,138.11 arc(54.43,138.11) 54.43,138.11 54.67,137.9 arc(54.75,137.71) 54.65,137.52 54.41,137.35 arc(54.41,137.35) 54.4,137.35 arc(54.4,137.35) 54.4,137.35 54.4,137.35 arc(54.4,137.34) 54.4,137.34 50.89,135.86 50.82,135.83 arc(50.78,135.81) 50.74,135.8 50.67,135.78 arc(50.63,135.77) 50.59,135.76 50.46,135.73 arc(50.42,135.73) 50.39,135.72 50.31,135.71 arc(50.28,135.71) 50.24,135.71 49.47,135.71 arc(49.43,135.71) 49.4,135.71 49.33,135.72 arc(49.3,135.72) 49.27,135.73 49.2,135.74 46.88,136.15 46.84,136.15 arc(46.82,136.16) 46.81,136.16 46.77,136.17 arc(46.75,136.18) 46.73,136.18 46.64,136.21 arc(46.63,136.22) 46.62,136.22 arc(46.61,136.22) 46.6,136.23 46.6,136.23 arc(46.58,136.23) 46.57,136.24 46.57,136.24 arc(46.55,136.24) 46.54,136.25 46.51,136.26 arc(46.49,136.27) 46.48,136.27 46.45,136.29 arc(46.44,136.29) 46.43,136.3 arc(46.42,136.3) 46.41,136.31 46.41,136.31 arc(46.4,136.31) 46.39,136.32 46.31,136.36 arc(46.28,136.37) 46.24,136.39 46.22,136.4 arc(46.21,136.4) 46.2,136.41 46.14,136.43 arc(46.09,136.45) 46.04,136.46 45.93,136.48 arc(45.88,136.49) 45.83,136.49 44.43,136.51 44.4,136.51 arc(44.38,136.51) 44.36,136.51 44.33,136.52 arc(44.31,136.52) 44.29,136.52 44.19,136.54 arc(44.16,136.55) 44.13,136.56 44.06,136.58 arc(44.03,136.6) 44.01,136.61 43.95,136.65 41.97,137.89 41.88,137.95 arc(41.84,137.97) 41.8,137.98 41.7,138 arc(41.65,138.01) 41.6,138.01 40.68,137.9 arc(40.68,137.9) 40.67,137.9 arc(40.67,137.9) 40.67,137.9 40.66,137.9 arc(40.66,137.9) 40.66,137.9 arc(40.65,137.9) 40.65,137.9 40.63,137.89 arc(40.63,137.89) 40.63,137.89 arc(40.62,137.89) 40.62,137.89 40.58,137.89 arc(40.57,137.88) 40.55,137.88 40.52,137.86 arc(40.51,137.86) 40.5,137.85 40.44,137.81 arc(40.43,137.8) 40.41,137.79 40.38,137.75 arc(40.37,137.74) 40.36,137.72 40.33,137.67 arc(40.33,137.66) 40.33,137.65 40.32,137.62 arc(40.32,137.61) 40.31,137.6 arc(40.31,137.59) 40.31,137.58 40.3,137.55 arc(40.3,137.54) 40.3,137.54 arc(40.3,137.53) 40.3,137.53 40.3,137.51 arc(40.3,137.51) 40.3,137.5 40.3,137.17 arc(40.3,137.16) 40.3,137.15 40.3,137.14 arc(40.3,137.13) 40.3,137.12 arc(40.29,137.12) 40.29,137.11 40.28,137.07 arc(40.28,137.05) 40.27,137.04 40.25,137 arc(40.24,136.98) 40.23,136.97 40.21,136.95 arc(40.21,136.95) 40.21,136.95 40.2,136.94 arc(40.19,136.93) 40.18,136.92 40.18,136.91 arc(40.17,136.91) 40.17,136.91 arc(40.17,136.9) 40.17,136.9 40.16,136.89 arc(40.16,136.89) 40.15,136.89 40.11,136.85 arc(40.1,136.84) 40.08,136.83 40.04,136.82 arc(40.02,136.81) 40,136.81 39.93,136.8 arc(39.92,136.8) 39.92,136.8 39.92,136.8 arc(39.92,136.8) 39.91,136.8 39.5,136.8 arc(39.49,136.8) 39.48,136.8 arc(39.47,136.8) 39.46,136.8 39.41,136.8 arc(39.4,136.8) 39.39,136.8 39.36,136.8 arc(39.35,136.8) 39.34,136.8 39.34,136.8 arc(39.33,136.79) 39.32,136.79 arc(39.31,136.79) 39.3,136.79 39.29,136.78 arc(39.27,136.78) 39.25,136.77 39.21,136.74 arc(39.19,136.73) 39.17,136.72 39.05,136.59 ; LED9.2 45.24,138.9 arc(45.24,138.9) 45.24,138.9 45.25,138.9 arc(45.25,138.9) 45.25,138.9 45.75,138.66 ; 73.85,122.19 arc(73.88,122.07) 73.98,121.97 ; 73.85,122.19 arc(73.82,122.07) 73.72,121.97 ; 69.28,82.2 69.72,82.2 ; 69.69,136.56 arc(69.66,136.58) 69.65,136.62 ; 62.52,108.55 62.46,108.55 arc(62.44,108.56) 62.41,108.57 ; 46.48,138.69 arc(46.12,138.59) 45.75,138.66 ; 73.98,121.97 arc(73.85,122.01) 73.72,121.97